# Altium PCB F4_SPI.PcbDoc
Units mil, origin at the board's own origin, x right, y up, seen from the top; angles counter-clockwise.
Board outline 1968.5 x 1259.84 mil, 2 copper layers (Top Layer, Bottom Layer); 99 components, 76 nets, 401 pads, 260 vias.
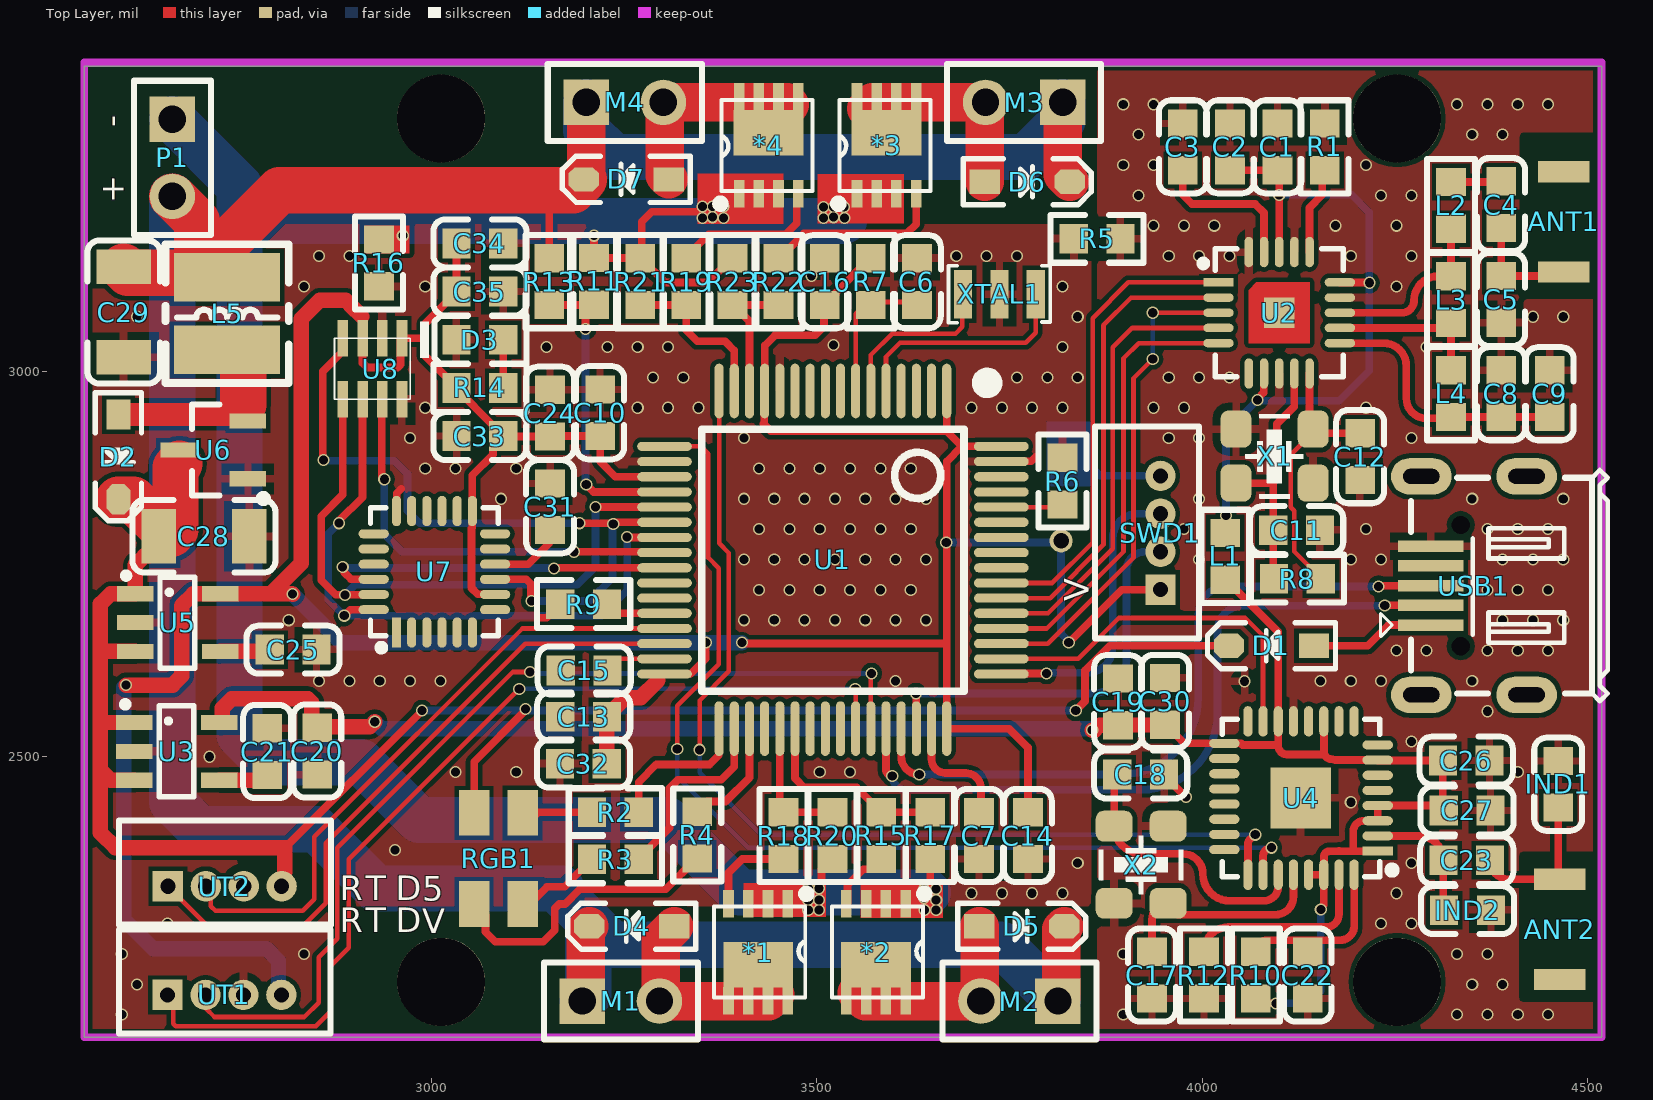
[diagram p0: Top Layer view]
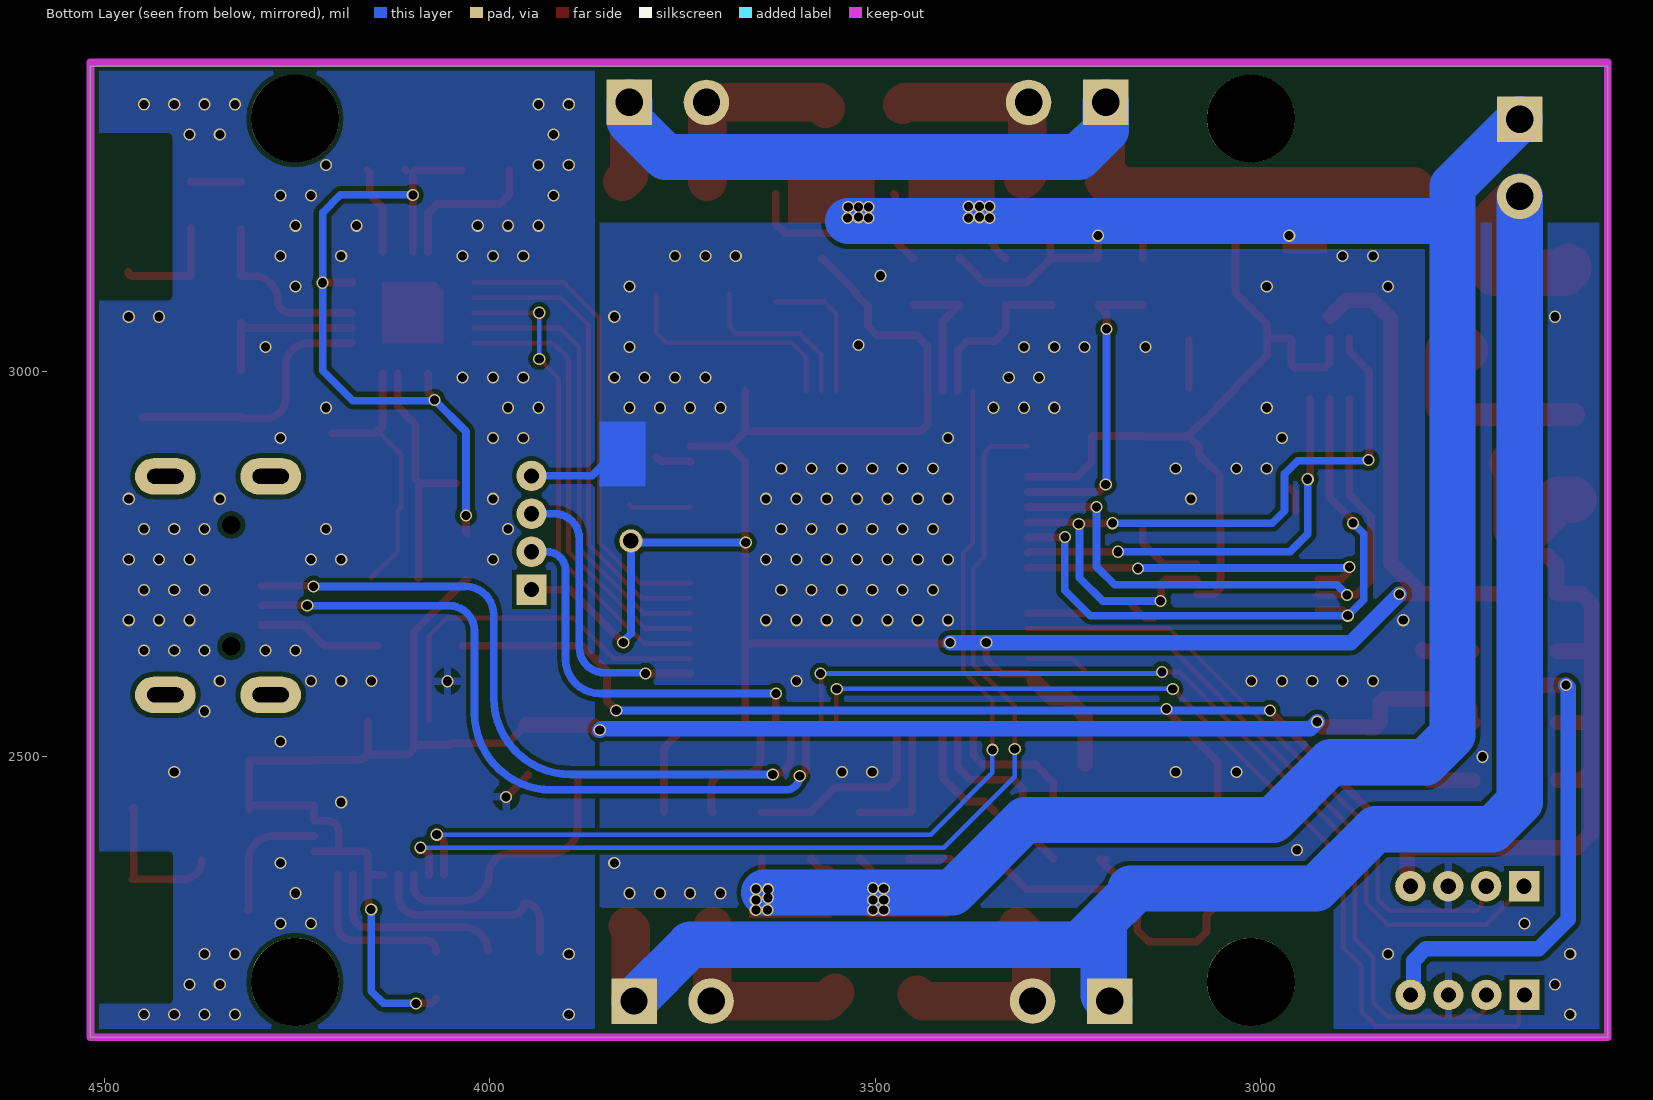
[diagram p1: Bottom Layer view, seen from below]
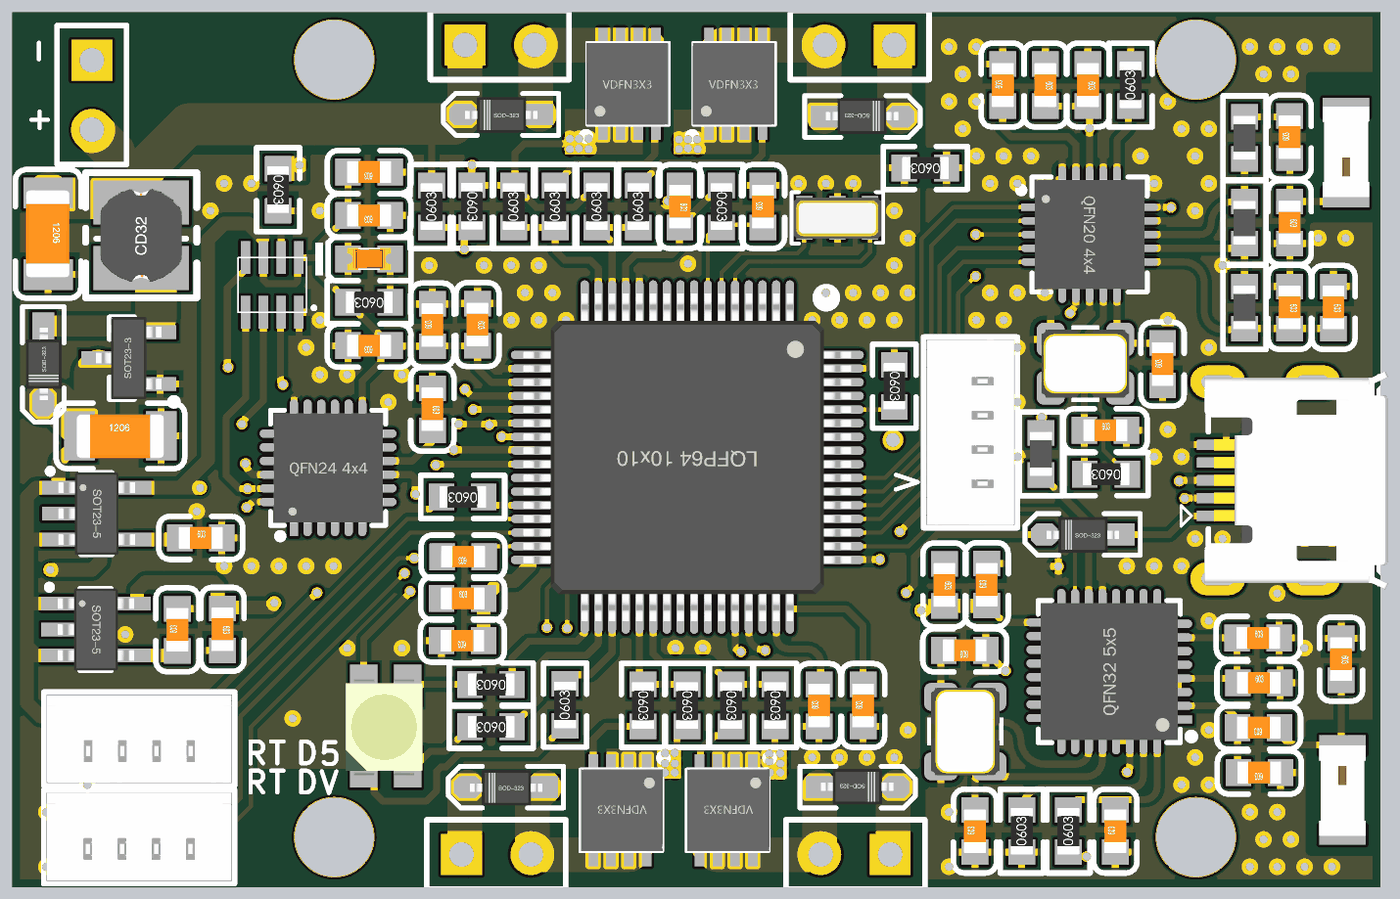
[diagram p2: 3D render of the assembled board from above, using the file's embedded part models]

## Layer stack, top to bottom
Top Solder: solder mask 0.4, Solder Resist, Dk 3.5
Top Layer: signal copper 1.4
Dielectric 1: dielectric 12.6, FR-4, Dk 4.8
Bottom Layer: signal copper 1.4
Bottom Solder: solder mask 0.4, Solder Resist, Dk 3.5

## Board outline
2549.72,2136.1 4518.23,2136.1 4518.23,3395.94 2549.72,3395.94

## Design rules (kind name [scope] priority, off if disabled: settings)
Clearance [All] p1: gap=6 ignorepadtopadclearanceinfootprint=FALSE
PolygonConnect [All] p1: connectstyle=Relief reliefconductorwidth=10 reliefentries=4 polygonreliefangle="90 Angle" airgapwidth=10
RoutingVias [All] p1: holewidth=11.81 width=15.75 viastyle="Through Hole" minholewidth=11.81 minwidth=15.75 maxholewidth=11.81 maxwidth=15.75
SolderMaskExpansion [All] p1: expansion=4 istentingtop=FALSE
Width [All] p1: maxlimit=60 minlimit=6 preferedwidth=10
30 further rules are at their usual default settings.

## Components (designator, comment, footprint, x,y, rotation, side; value= is the part's Value field where it differs from the comment)
*1 "AON7702" "DFN 3*3 2NMOS" 3427,2246.73 r270 top
*2 "AON7702" "DFN 3*3 2NMOS" 3579.95,2246.73 r270 top
*3 "AON7702" "DFN 3*3 2NMOS" 3587.57,3293 r90 top
*4 "AON7702" "DFN 3*3 2NMOS" 3434.62,3293 r90 top
ANT1 "2450AT18B100" 2450AT18B100 4469,3129 r90 top
ANT2 "2450AT18B100" 2450AT18B100 4464,2340.92 r270 top
C1 "2.2uF" 0603_C 4097.67,3291 r270 top
C2 "33nF" 0603_C 4036.33,3291 r270 top
C3 "33nF" 0603_C 3975,3291.63 r90 top
C4 "1.5pF" 0603_C 4388,3216.63 r90 top
C5 "1.5pF" 0603_C 4388,3093 r270 top
C6 "104" 0603_C 3630,3116.63 r90 top
C7 "2.2uF" 0603_C 3710.6,2398 r90 top
C8 "2.2nF" 0603_C 4388,2970.68 r270 top
C9 "4.7pF" 0603_C 4451,2970.68 r270 top
C10 "104" 0603_C 3219,2946 r270 top
C11 "10pF" 0603_C 4123,2794 r0 top value=10pf
C12 "10pF" 0603_C 4205,2889.63 r90 top
C13 "104" 0603_C 3198,2552 r0 top
C14 "104" 0603_C 3774,2398 r90 top
C15 "2.2uF" 0603_C 3198,2612 r180 top
C16 "104" 0603_C 3510.33,3116 r270 top
C17 "10pF" 0603_C 3935,2217 r90 top
C18 "10pF" 0603_C 3920,2477 r180 top
C19 "10uf" 0603_C 3891,2571 r270 top value=10uF
C20 "10uF" 0603_C 2852,2507 r270 top
C21 "10nF" 0603_C 2787,2507 r90 top
C22 "104" 0603_C 4137,2217 r90 top
C23 "5.6pF" 0603_C 4343,2365.67 r180 top
C24 "10uF" 0603_C 3154,2946 r90 top
C25 "10nF" 0603_C 2821,2639 r0 top
C26 "10uF" 0603_C 4343,2495 r0 top
C27 "104" 0603_C 4344,2430.33 r0 top
C28 "10uF" 1206_C 2705,2786 r0 top
C29 "10uF" 1206_C 2601,3077 r270 top
C30 "10uF" 0603_C 3952,2572 r90 top
C31 "0.47uf" 0603_C 3154,2824 r270 top value=0.47uF
C32 "10uF" 0603_C 3197,2491 r180 top value=2.2uF
C33 "104" 0603_C 3062.69,2916 r180 top value=0.1uF
C34 "10uf" 0603_C 3062.69,3166 r180 top value=2.2uF
C35 "104" 0603_C 3062.69,3103.5 r180 top value=0.1uF
D1 "1N5819" SOD-323 4090,2644 r180 top
D2 "1N5819" SOD-323 2594,2889 r270 top
D3 "白灯 0603" 0603_LED_S1 3063,3041 r0 top
D4 "1N5819" SOD-323 3260,2280 r180 top
D5 "1N5819" SOD-323 3766.12,2280 r0 top
D6 "1N5819" SOD-323 3773,3246 r0 top
D7 "1N5819" SOD-323 3253,3249 r180 top
IND1 "NC" 0603_C 4462,2464 r270 top value=10mH
IND2 "NC" 0603_C 4344,2301 r180 top value=10mH
L1 "3.3nH" 0603_L 4030,2760 r270 top
L2 "3.3nH" 0603_L 4323,3215.32 r270 top
L3 "6.8nH" 0603_L 4323,3093.16 r270 top
L4 "3.3nH" 0603_L 4323,2971 r270 top
L5 "33uH" CD32 2735,3075 r90 top
M1 "Motor" HDR1X2 3196,2183 r0 top
M2 "Motor" HDR1X2 3813,2183 r180 top
M3 "Motor" HDR1X2 3819,3349 r180 top
M4 "Motor" HDR1X2 3201,3349 r0 top
P1 "Header 2" HDR1X2 2664,3327 r270 top
R1 "22K" 0603_R 4160,3291 r90 top
R2 "1K" 0603_R 3239,2429 r180 top value=300R
R3 "1K" 0603_R 3239,2368 r180 top value=300R
R4 "1K" 0603_R 3346,2398 r90 top value=50R
R5 "0m" 0603_R 3864,3173 r180 top
R6 "10K" 0603_R 3818,2858 r270 top
R7 "10K" 0603_R 3569.17,3116.63 r270 top
R8 "1M" 0603_R 4124,2732 r180 top
R9 "10K" 0603_R 3198,2699 r180 top
R10 "12K" 0603_R 4070.67,2216.37 r90 top
R11 "10K" 0603_R 3210,3117 r270 top
R12 "12K" 0603_R 4003.33,2216.37 r90 top
R13 "10K" 0603_R 3154,3116 r90 top
R14 "1K" 0603_R 3063.32,2979.5 r180 top
R15 "300R" 0603_R 3582.8,2398 r270 top
R16 "0m" 0603_R 2931,3141 r270 top
R17 "10K" 0603_R 3646.2,2398 r270 top
R18 "300R" 0603_R 3456,2398 r270 top
R19 "300R" 0603_R 3331.83,3116 r90 top
R20 "10K" 0603_R 3519.4,2398 r270 top
R21 "10K" 0603_R 3272,3116 r90 top
R22 "300R" 0603_R 3451.5,3116 r90 top
R23 "10K" 0603_R 3391.67,3116 r90 top
RGB1 "RGB_LED" LED_3528_RGB 3087,2368 r90 top
SWD1 "Header 4" "SIP 1.25" 3945.02,2790.61 r90 top
U1 "STM32F405RGT6" "LQFP64 10x10_N" 3521,2755 r180 top
U2 "NRF2401+" "QFN20 4x4_N" 4100,3076 r270 top
U3 "SPX3819" SOT23-5N 2669.88,2507 r270 top
U4 "ESP8285" "QFN32 5x5_M" 4128.34,2446.46 r90 top
U5 "SPX3819" SOT23-5N 2671,2674 r270 top
U6 "ME2108A50M3G" SOT23-3N 2717,2898 r90 top
U7 "ICM-20689" "QFN24 4x4_M" 3004,2740 r0 top
U8 "SPL06" BMP280 2923,3003 r270 top
USB1 "USB" USB-MICRO_D 4421,2722 r90 top
UT1 "Header 4" "SIP 1.25" 2731.61,2191.98 r0 top
UT2 "Header 4" "SIP 1.25" 2732,2333 r0 top
X1 "16MHz" XT_3225_4 4094,2890 r0 top
X2 "26MHz" XT_3225_4 3921,2360 r270 top
XTAL1 "8M" XTAL-3215-3P 3737,3100 r180 top

## Footprints (in the part's own frame and the unit in brackets; to place one, negate y for a bottom-side part, rotate by r counter-clockwise, add the part's x,y. Pads: shape width x height; smd on the part's side, far side on the other; paste and mask are expansions set on the pad)
0603_C [mm]
  rect 0.93x0.98 smd: 1(-0.778,0) 2(0.762,0)
  silkscreen extent -1.54,-0.79 1.53,0.79, body extent -0.81,-0.4 0.79,0.4, height 0.3
0603_L [mm]
  rect 0.93x0.98 smd: 1(-0.77,0) 2(0.77,0)
  silkscreen extent -1.53,-0.79 1.54,0.79, body extent -0.82,-0.41 0.83,0.41, height 0.46
0603_LED_S1 [mm]
  rect 0.93x0.98 smd: A(0.77,0) K(-0.77,0)
  silkscreen extent -1.97,-0.79 1.54,0.79, body extent -0.8,-0.4 0.8,0.4, height 0.6
0603_R [mm]
  rect 0.93x0.98 smd: 1(-0.762,0.025) 2(0.778,0.025)
  silkscreen extent -1.53,-0.76 1.54,0.82, body extent -0.84,-0.37 0.86,0.43, height 0.56
1206_C [mm]
  rect 1.13x1.8 smd: 1(-1.49,0) 2(1.49,0)
  silkscreen extent -2.36,-1.2 2.35,1.2, body extent -1.6,-0.81 1.6,0.79, height 1
2450AT18B100 [mm]
  rect 0.7x1.7 smd: 1(0,0) 2(3.3,0)
  body extent 0.03,-0.85 3.33,0.85, height 1.35
BMP280 [mm] "气压传感器"
  round 0.25 on Top Overlay: 0(0.828,1.539)
  rect 1.2x0.35 smd: 1(0.99,0.99) 2(0.99,0.34) 3(0.99,-0.31) 4(0.99,-0.96) 5(-1.01,-0.96) 6(-1.01,-0.31) 7(-1.01,0.34) 8(-1.01,0.99)
  silkscreen extent -1.01,-1.24 0.99,1.26
CD32 [mm] "3.5*3*2mm（长宽高）"
  rect 1.6x3.5 smd: 1(-1.2,0) 2(1.2,0)
  silkscreen extent -2.29,-2.03 2.29,2.03, body extent -1.71,-1.5 1.71,1.5, height 2.15
"DFN 3*3 2NMOS" [mm]
  rect 1.5x2.3 smd: D(0.425,-0.075)
  rect 0.9x0.35 smd: D(1.607,0.898) D(1.607,-0.402) D(1.607,0.248) D(1.607,-1.052) G(-1.593,-1.052) S(-1.593,0.898) S(-1.593,-0.402) S(-1.593,0.248)
  silkscreen extent -2.04,-1.53 1.5,1.63, body extent -1.55,-1.5 1.55,1.5, height 1.06
HDR1X2 [mm] "Connector; Header; 2 Position"
  rect 1.5x1.5 hole 0.9: 1(0,0)
  round 1.5 hole 0.9: 2(2.54,0)
  silkscreen extent -1.27,-1.27 3.81,1.27
LED_3528_RGB [mm]
  rect 1.5x1 smd: 1(1.5,-0.8) 2(-1.5,-0.8) 3(-1.5,0.8) 4(1.5,0.8)
  body extent -1.79,-1.34 1.71,1.46, height 1.9
"LQFP64 10x10_N" [mm] "64脚，体宽10x10mm，脚距0.5mm"
  oval 0.3x1.8 smd: 1(-3.75,-5.575) 2(-3.25,-5.575) 3(-2.75,-5.575) 4(-2.25,-5.575) 5(-1.75,-5.575) 6(-1.25,-5.575) 7(-0.75,-5.575) 8(-0.25,-5.575) 9(0.25,-5.575) 10(0.75,-5.575) 11(1.25,-5.575) 12(1.75,-5.575) 13(2.25,-5.575) 14(2.75,-5.575) 15(3.25,-5.575) 16(3.75,-5.575) 33(3.75,5.55) 34(3.25,5.55) 35(2.75,5.55) 36(2.25,5.55) 37(1.75,5.55) 38(1.25,5.55) 39(0.75,5.55) 40(0.25,5.55) 41(-0.25,5.55) 42(-0.75,5.55) 43(-1.25,5.55) 44(-1.75,5.55) 45(-2.25,5.55) 46(-2.75,5.55) 47(-3.25,5.55) 48(-3.75,5.55)
  oval 1.8x0.3 smd: 17(5.55,-3.75) 18(5.55,-3.25) 19(5.55,-2.75) 20(5.55,-2.25) 21(5.55,-1.75) 22(5.55,-1.25) 23(5.55,-0.75) 24(5.55,-0.25) 25(5.55,0.25) 26(5.55,0.75) 27(5.55,1.25) 28(5.55,1.75) 29(5.55,2.25) 30(5.55,2.75) 31(5.55,3.25) 32(5.55,3.75) 49(-5.55,3.75) 50(-5.55,3.25) 51(-5.55,2.75) 52(-5.55,2.25) 53(-5.55,1.75) 54(-5.55,1.25) 55(-5.55,0.75) 56(-5.55,0.25) 57(-5.55,-0.25) 58(-5.55,-0.75) 59(-5.55,-1.25) 60(-5.55,-1.75) 61(-5.55,-2.25) 62(-5.55,-2.75) 63(-5.55,-3.25) 64(-5.55,-3.75)
  silkscreen extent -5.33,-6.09 4.32,4.32, body extent -6,-6 6,6, height 1.45
"QFN20 4x4_N" [mm] "20脚，长x宽x高：4x4x0.95mm，脚距：0.5mm"
  rect 0.28x1 smd: 1(-1,-2)
  oval 0.28x1 smd: 2(-0.5,-2) 3(0,-2) 4(0.5,-2) 5(1,-2) 11(1,2) 12(0.5,2) 13(0,2) 14(-0.5,2) 15(-1,2)
  oval 1x0.28 smd: 6(2,-1) 7(2,-0.5) 8(2,0) 9(2,0.5) 10(2,1) 16(-2,1) 17(-2,0.5) 18(-2,0) 19(-2,-0.5) 20(-2,-1)
  rect 1x1 smd: 21(0,0)
  Top Layer region: -1,1 1,1 1,-1 -0.75,-1 -1,-0.75
  silkscreen extent -2.11,-2.6 2.11,2.11, body extent -2.01,-2.01 2.01,2.01, height 0.95
"QFN24 4x4_M" [mm] "24脚，长x宽x高：4x4x1mm，脚距：0.5mm"
  rect 0.3x1 smd: 1(-1.25,-2)
  oval 0.3x1 smd: 2(-0.75,-2) 3(-0.25,-2) 4(0.25,-2) 5(0.75,-2) 6(1.25,-2) 13(1.25,2) 14(0.75,2) 15(0.25,2) 16(-0.25,2) 17(-0.75,2) 18(-1.25,2)
  oval 1x0.3 smd: 7(2,-1.25) 8(2,-0.75) 9(2,-0.25) 10(2,0.25) 11(2,0.75) 12(2,1.25) 19(-2,1.25) 20(-2,0.75) 21(-2,0.25) 22(-2,-0.25) 23(-2,-0.75) 24(-2,-1.25)
  silkscreen extent -2.11,-2.6 2.11,2.11, body extent -2.01,-2.01 2.01,2.01, height 0.95
"QFN32 5x5_M" [mm] "32脚，长x宽x高：5x5x0.95mm，脚距：0.5mm"
  rect 0.3x1 smd: 1(-1.751,-2.528)
  oval 0.3x1 smd: 2(-1.25,-2.528) 3(-0.75,-2.528) 4(-0.25,-2.528) 5(0.25,-2.528) 6(0.75,-2.528) 7(1.25,-2.528) 8(1.75,-2.528) 17(1.8,2.528) 18(1.3,2.528) 19(0.8,2.528) 20(0.3,2.528) 21(-0.2,2.528) 22(-0.7,2.528) 23(-1.2,2.528) 24(-1.7,2.528)
  oval 1x0.3 smd: 9(2.528,-1.75) 10(2.528,-1.25) 11(2.528,-0.75) 12(2.528,-0.25) 13(2.528,0.25) 14(2.528,0.75) 15(2.528,1.25) 16(2.528,1.75) 25(-2.528,1.75) 26(-2.528,1.25) 27(-2.528,0.75) 28(-2.528,0.25) 29(-2.528,-0.25) 30(-2.528,-0.75) 31(-2.528,-1.25) 32(-2.528,-1.75)
  rect 2x2 smd paste-2.54: 33(0.003,0.011)
  silkscreen extent -2.6,-3.13 2.6,2.6, body extent -2.5,-2.5 2.5,2.5, height 0.93
"SIP 1.25" [mm]
  rect 1x1 hole 0.5: 1(-1.875,-0.025)
  round 1 hole 0.5: 2(-0.625,-0.025) 3(0.625,-0.025) 4(1.875,-0.025)
  silkscreen extent -3.48,-1.3 3.5,2.13, body extent -3.36,-1.18 3.38,2.02, height 4.25
SOD-323 [mm] "1.8x1.3X0.9mm（长宽高，不包括引脚）"
  rect 1x0.8 smd: 1(-1.4,0)
  oct 1x0.8 smd: 2(1.4,0)
  silkscreen extent -2.11,-0.76 2.11,0.76, body extent -1.34,-0.63 1.31,0.67, height 1
SOT23-3N [mm] "3x1.3x1mm(长宽高)"
  rect 0.5x1.2 smd: 1(-0.95,-1.143) 2(0.95,-1.143) 3(0,1.143)
  silkscreen extent -1.72,-1.78 1.5,0.7, body extent -1.5,-1.2 1.5,1.2, height 1.05
SOT23-5N [mm] "3x1.6x1.1mm(长宽高)"
  rect 0.5x1.2 smd: 1(-0.95,-1.4) 2(0,-1.4) 3(0.95,-1.4) 4(0.95,1.4) 5(-0.95,1.4)
  silkscreen extent -1.63,-1.78 1.5,0.56, body extent -1.5,-1.4 1.5,1.4, height 1.15
USB-MICRO_D [mm] "micro型USB ，6.7*7.5*2.5mm"
  oval 1.2x2 hole 0.5 slot 1.2 at 90 deg: 0(-3.6,0) 0(-3.6,3.47) 0(3.6,0) 0(3.6,3.47)
  round 0 hole 0.6 unplated: 0(-2,2.17) 0(2,2.17)
  rect 0.381x2.15 smd: 1(-1.3,3.16) 2(-0.65,3.16) 3(0,3.16) 4(0.65,3.16) 5(1.3,3.16)
  silkscreen extent -3.81,-2.67 3.81,4.81, body extent -3.99,-2.75 3.99,3.95, height 2.79
XT_3225_4 [mil]
  rrect50% 40x48 smd: 1(-50,-35) 2(50,-35) 3(50,35) 4(-50,35)
  silkscreen extent -38,-54 38,54, body extent -63,-49 63,49, height 41
XTAL-3215-3P [mm]
  rect 0.6x1.6 smd: 1(-1.2,0) 2(0,0) 3(1.2,0)
  silkscreen extent -1.68,-0.94 1.68,0.94, body extent -1.6,-0.74 1.6,0.76, height 0.9

## Part data
ANT1 ANT2: library part Antenna, "Generic Antenna", LatestRevisionDate=17-Jul-2002, LatestRevisionNote="Re-released for DXP Platform.", PackageReference=PIN1, Published=24-Mar-1999, Publisher="Altium Limited"
C1 C2 C3 C4 C5 C6 C7 C8 C9 C10 C11 C12 C13 C14 C15 C16 C17 C18 C19 C20 C21 C22 C23 C24 C25 C26 C27 C28 C29 C30 C31 C32 C33 C34 C35: library part Cap, "Capacitor", LatestRevisionDate=17-Jul-2002, LatestRevisionNote="Re-released for DXP Platform.", PackageDescription="Radial Cap, Thru-Hole; 2 Leads; 0.3 in Pin Spacing", PackageReference=RAD-0.3, Published=8-Jun-2000, Publisher="Altium Limited"
D1 D2 D4 D5 D6 D7: library part 1N4007, "二极管"
D3: library part "0603 白灯", "发光二极管", Package=0603, SuppliersPartNumber=C2290, ComponentLink1Description=供应商链接, ComponentLink1URL=http://www.szlcsc.com/product/details_2663.html, Supplier=LC
IND1 IND2 L5: library part Inductor, "Inductor", Code_IEC=1005, Code_JEITA=0402, LatestRevisionDate=29-May-2009, LatestRevisionNote="IPC-7351 Footprint Added.", PackageDescription="Chip Inductor", PackageReference=0402-A, Published=8-Jun-2000, Publisher="Altium Limited"
L1 L2 L3 L4: library part L1, "电感"
M1 M2 M3 M4: "直流电机"
P1: "Header, 2-Pin", PackageReference=HDR1X2, Published=8-August-2017, Publisher=mazhongwei
R1 R5 R8 R16: library part RES
R2 R3 R4 R6 R7 R9 R10 R11 R12 R13 R14 R15 R17 R18 R19 R20 R21 R22 R23: library part Res2, "Resistor", LatestRevisionDate=17-Jul-2002, LatestRevisionNote="Re-released for DXP Platform.", PackageReference=AXIAL-0.4, Published=8-Jun-2000, Publisher="Altium Limited"
RGB1: "三色高亮LED"
SWD1 UT1 UT2: "Header, 4-Pin", LatestRevisionDate=17-Jul-2002, LatestRevisionNote="Re-released for DXP Platform.", Publisher="Altium Limited"
U1: "Flaah:256/RAM:48/IO:51"
U3 U5: library part MIC5219, "3.3V 降压芯片"
U4: library part ESP8266, "ESP8266"
U6: "5升压芯片"
U8: library part BMP280
X1 X2: library part XTAL_3225_4P, "Crystal Oscillator", Type=XTAL3225
XTAL1: library part XTAL1

## Free pads (board coordinates)
  round 114.17 hole 114.17: 0(3012.84,3328) 1(4253,3328) 2(4253,2207.95) 3(3012.84,2207.95)
  round 30 hole 20: 4(3817,2780)

## Via types
v1: diameter 15.75, hole 11.81, Top Layer to Bottom Layer, 260 vias

## Nets (pads, with @x,y where several pads share a name; then routed paths per layer and width w, separated by ;. In a path a pad name is that pad's centre, name@x,y a point inside that pad or via, vN(x,y) a via of type N, cw(c..) or ccw(c..) an arc to the next point about the centre after c; other vN are vias at no path point)
3V3: C10.2 C13.2 C14.2 C16.2 C24.1 C32.1 C33.1 C34.2 C35.2 pad.4 R7.1 R14.2 SWD1.1 U1.1 U1.13 U1.19 U1.32 U1.48 U1.64 U5.5 U7.8 U7.13 U8.6 U8.8 UT1.4 | length 5109.7
  Top Layer w10: U8.6 2910.8,3010.86 2916.65,3005 2956.14,3005 2960.09,3008.94 2960.09,3040.87 U8.8 2991.56,3042.76 ; C34.2 C35.2 3032.69,3102.52 2991.56,3061.39 2991.56,3042.76 ; U7.8 3082.39,2710.82 3060.18,2710.82 3052.06,2718.94 3052.06,2796.22 3053.21,2797.37 U7.13 3053.21,2865.21 3080.01,2892.01 3080.01,2902.69 C33.1 ; U1.32 3302.84,2607.71 3336.59,2607.71 3356,2627.12 v1(3356,2648) ; U1.19 3238.73,2863.27 3219,2883 C10.2 3154.63,2916 C24.1 3093.95,2915.37 C33.1 ; v1(3402.87,2648) 3403.87,2647 3668.64,2647 ; C16.2 3509.55,3085.22 3509.55,3058.55 3498,3047 3446,3047 3432.42,3033.42 U1.13 3432.07,2974.16 3432.07,2933.07 3431,2932 3440.64,2922.36 3668.64,2922.36 ; C16.2@3510.83,3085.51 3524.62,3099.31 3524.62,3102.07 3569.18,3146.63 R7.1 ; U1.1 3668.64,2922.36 ; U1.64 3688.36,2902.64 ; C14.2 3774,2512 3749.5,2536.5 U1.48 3668.64,2647 ; v1(3827,2648) 3895.79,2716.79 SWD1.1 ; 2991.56,3042.76 2991.56,3020.61 3032.68,2979.48 R14.2 3032.68,2977.52 3079.91,2930.29 3080.01,2930.29 3093.32,2916.98 C33.1 ; 3668.64,2647 3668.64,2882.91 3688.36,2902.64 ; 3668.64,2922.36 3688.36,2902.64
  Top Layer w20: v1(2604,2593) 2664.28,2593 2676,2604.72 2676,2696 2691.24,2711.24 2725.96,2711.24 U5.5 2791.4,2711.4 ; v1(2820,2711) 2819.6,2711.4 2791.4,2711.4 ; 2909.84,3071.16 2908.09,3072.91 2908.09,3073.01 2898.72,3082.39 2898.61,3082.39 2889,3092 2855,3092 2831,3068 2831,2751 2791.4,2711.4 ; C32.1 3227.82,2491.18 3227.82,2551.82 C13.2 3228,2552.98 3251.72,2576.71 3271.71,2576.71 3294,2599
  Bottom Layer w10: v1(3668,2778) 3815,2778 pad.4 3817,2659.56 3827,2649.56 v1(3827,2648)
  Bottom Layer w20: v1(2604,2593) 2601,2590 2601,2289 2639,2251 2786,2251 2801.72,2235.28 2801.72,2194.71 UT1.4 ; v1(2820,2711) 2883,2648 v1(3402.87,2648)
3V3_RF: C19.2 C20.1 C26.1 C27.1 C30.1 L1.2 R10.1 U3.5 U4.1 U4.3 U4.4 U4.7 U4.11 U4.14 U4.17 U4.29 U4.30 | length 2561.4
  Top Layer w10: C30.1@3952.98,2541.37 3977.01,2517.34 U4.17 4050.39,2517.34 4052.42,2515.3 4097.7,2515.3 4098.8,2514.2 ; L1.2 4030.98,2729.68 4098.8,2661.86 U4.14 4098.8,2514.2 ; R10.1 4076.04,2180 v1(4096,2180) ; U4.29 U4.30 ; v1(4154,2302) 4154,2303.56 4157.87,2307.43 U4.30 ; U4.11 4158,2545.99 4158,2506 ; U4.1 4199.24,2377.54 cw(c4199.24,2387.54) 4198.5,2377.57 ccw(c4197.25,2360.71) 4196.01,2377.57 cw(c4195.27,2387.54) 4195.27,2377.54 ; 4098.8,2514.2 ccw(c4110,2514.2) 4110,2503 4155,2503 ccw(c4155,2506) 4158,2506 ; U4.30 4158,2346.93 4158,2370 cw(c4165.54,2370) 4165.54,2377.54 4175.58,2377.54 ccw(c4175.58,2387.54) 4176.32,2377.57 cw(c4177.56,2360.71) 4178.81,2377.57 ccw(c4179.55,2387.54) 4179.55,2377.54 4195.27,2377.54 ; 4158,2506 ccw(c4167.96,2506.92) 4167.63,2496.92 cw(c4167.27,2485.93) 4171,2496.28 ccw(c4174.4,2505.68) 4174.4,2495.68 U4.7 4227.87,2495 C26.1 4312.37,2431.33 ccw(c4307.09,2431.33) 4307.09,2436.61 U4.4 U4.3 4209.92,2416.92 ccw(c4209.92,2403) 4196,2403 4196,2378.27 cw(c4195.27,2378.27) 4195.27,2377.54
  Top Layer w20: U3.5 2728.84,2544.4 2729,2544.56 2729,2563.28 2740.72,2575 2840,2575 2845,2570 2845,2544.63 C20.1 2859.92,2537.63 2861.29,2539 2920.31,2539 v1(2926.65,2545.35) ; v1(3857.5,2534.5) 3860.52,2534.5 3867.02,2541 C19.2 3891.18,2541.18 3952.8,2541.18 C30.1@3952.98,2541.37
  Bottom Layer w10: v1(4096,2180) 4138,2180 4154,2196 v1(4154,2302)
  Bottom Layer w20: v1(2926.65,2545.35) 2935.87,2536.13 3855.87,2536.13 v1(3857.5,2534.5)
5V: C28.1 D1.2 D2.2 RGB1.4 U3.1 U3.3 U5.1 U5.3 U6.3 UT2.4 | length 2578.5
  Top Layer w10: 2810.15,2382 2988,2559.85 v1(2988,2560) ; RGB1.4 3055.5,2493.5 3122,2560 v1(3122,2562) ; v1(3836,2560) 3848,2572 3848,2611.78 3880.22,2644 D1.2
  Top Layer w20: U3.3 2614.61,2469.76 2583.68,2469.76 2570.72,2482.72 ; U3.1 2571.13,2544.4 2570.72,2544 ; U5.3 2571.32,2636.6 2570.72,2636 ; C28.1 2646.34,2772.81 2634.09,2760.57 2627.6,2760.57 2615.88,2748.85 U5.1 2615.72,2711.24 2583.72,2711.24 2570.72,2698.25 2570.72,2636 ; UT2.4 2809.53,2335.72 2809.53,2349.42 2810,2349.89 2810,2382 ; 2810.15,2382 2590,2382 2570.72,2401.28 2570.72,2482.72 ; 2570.72,2482.72 2570.72,2544 ; 2570.72,2544 2570.72,2636
  Top Layer w60: D2.2 2613.13,2833.88 2647.08,2799.93 2658.02,2789 2662.66,2789 2668.09,2794.43 2668.09,2875.09 2673,2880
  Bottom Layer w10: v1(2988,2560) v1(3836,2560)
AGND: *1.S *2.S *3.S *4.S P1.1 R11.1 R16.1 R17.2 R20.2 R21.2 R23.2 | length 3055.1
  Top Layer w10: v1(3211,3176) R11.1 3270.63,3147 R21.2 3271.98,3146.63 R21.2@3273,3145.61 ; v1(3352,3214) 3352,3212 3350,3210 3348,3210 3345,3207 3286,3207 3273,3194 R21.2@3273,3145.61 ; R23.2 3389.68,3146.63 3358.36,3115.31 3303.31,3115.31 R21.2@3273,3145.61 ; v1@3500,2326 3506.11,2332.11 3506.11,2354.06 3519.42,2367.37 R20.2 ; 3647.2,2330.73 R17.2
  Bottom Layer w60: P1.1 2751,3240 2751,3195 ; v1@3535,3195 3509,3195 3365,3195 3211,3195 2963,3195 2751,3195 ; v1@3644,2324 3503,2324 3400,2324 3306,2418 2984,2418 2909,2493 2786.15,2493 2751,2528.15 2751,3195
  other v1: 3489,2301 3503,2301 3640,2301 3655,2301 3489,2314 3503,2314 3655,2314 3639,2317 3639,2328 3654.73,2328.27 3489,2329 3502.79,2329.32 2963,3176 3352,3199 3379,3199 3509,3199 3536,3199 3365,3200 3522,3200 3509,3213 3522,3213 3535,3213 3365,3214 3379,3214
BAT: C29.1 D4.2 D5.2 D6.2 D7.2 L5.2 M1.1 M2.1 M3.1 M4.1 P1.2 R13.2 | length 4126.9
  Top Layer w10: R13.2 3153,3235
  Top Layer w50: M1.1 3200.53,2187.53 3200.53,2275.65 D4.2 ; D7.2 3201,3252.12 M4.1 ; M2.1 3817.53,2187.53 3817.53,2276.29 D5.2 ; M3.1 3819,3255.12 D6.2
  Top Layer w60: C29.1 2601,3133.34 2606.43,3127.91 L5.2@2696.1,3127.91 ; P1.2 2696.1,3194.9 L5.2@2696.1,3127.91 ; D7.2 3183.88,3235 3153,3235 3051.49,3235 3051.4,3234.91 2803.11,3234.91 L5.2@2696.1,3127.91
  Bottom Layer w60: P1.2 2664,2441.15 2699.15,2406 2851,2406 2928,2329 3169,2329 3169,2322 3203.5,2287.5 ; M1.1 3203.5,2190.5 3203.5,2287.5 ; M4.1 3201,3313.15 3236.15,3278 3772,3278 3819,3325 M3.1 ; M2.1 3740,2256 3235,2256 3203.5,2287.5
BOOT0: R6.2 U1.60 | length 80.9
  Top Layer w6: U1.60 3815.53,2823.9 R6.2
G1: *1.G R18.2 | length 115.6
  Top Layer w10: *1.G@3385.59,2312.72 3385.59,2349.59 3403.37,2367.37 R18.2
G2: *2.G R15.2 | length 82.7
  Top Layer w10: *2.G 3540,2310.91 3540,2333.81 3560.25,2354.06 3570.49,2354.06 R15.2
G3: *3.G R22.2 | length 236.3
  Top Layer w10: R22.2 3451.48,3146.63 3476.56,3171.7 3476.56,3171.93 3483.63,3179 3617,3179 3628.99,3190.99 *3.G
G4: *4.G R19.2 | length 202.9
  Top Layer w10: R19.2 3331.82,3146.63 3345.12,3159.94 3345.12,3163.12 3360,3178 3460,3178 3474.15,3192.15 3474.15,3228.39 *4.G
GND: C6.2 C7.1 C10.1 C13.1 C14.1 C15.2 C16.1 C20.2 C21.2 C24.2 C25.2 C28.2 C29.2 C31.1 C32.2 C33.2 C34.1 C35.1 D3.K R5.2 R6.1 R9.2 R16.2 SWD1.4 U1.12 U1.18 U1.63 U3.2 U5.2 U6.1 U7.18 U8.1 U8.7 UT1.3 UT2.3 XTAL1.2 | length 265.5
  Top Layer w10: U7.18 2955.13,2819.09 2955.13,2841.64 2960.99,2847.5 ; 3139.06,2680.42 3149.79,2680.42 3153.08,2683.71 3154.06,2683.71 3167.37,2697.02 R9.2 ; U1.63 3739.85,2883.3 3778.15,2883.3 3784.01,2889.16
  Bottom Layer w10: 3817,2916 3817,2915 3867.57,2864.43 SWD1.4
  other v1: 2598.43,2165.36 2618.11,2204.73 2598.43,2244.1 2834.65,2244.1 2657.48,2283.47 3700.79,2322.84 3740.16,2322.84 3779.53,2322.84 3818.9,2322.84 3838.58,2362.21 2953,2379 3031.5,2480.32 3110.24,2480.32 3503.94,2480.32 3543.31,2480.32 2712,2500 2854.33,2598.43 2893.7,2598.43 2933.07,2598.43 2972.44,2598.43 3011.81,2598.43 3602.36,2598.43 2814.96,2677.17 3405.51,2677.17 3444.88,2677.17 3484.25,2677.17 3523.62,2677.17 3562.99,2677.17 3602.36,2677.17 3641.73,2677.17 3425.2,2716.54 3464.57,2716.54 3503.94,2716.54 3543.31,2716.54 3582.68,2716.54 3622.05,2716.54 3405.51,2755.91 3444.88,2755.91 3484.25,2755.91 3523.62,2755.91 3562.99,2755.91 3602.36,2755.91 3641.73,2755.91 3425.2,2795.28 3464.57,2795.28 3503.94,2795.28 3543.31,2795.28 3582.68,2795.28 3622.05,2795.28 3090.55,2834.65 3405.51,2834.65 3444.88,2834.65 3484.25,2834.65 3523.62,2834.65 3562.99,2834.65 3602.36,2834.65 3641.73,2834.65 2992.13,2874.02 3031.5,2874.02 3110.24,2874.02 3425.2,2874.02 3464.57,2874.02 3503.94,2874.02 3543.31,2874.02 3582.68,2874.02 3622.05,2874.02 2972.44,2913.39 3405.51,2913.39 2992.13,2952.76 3267.72,2952.76 3307.09,2952.76 3346.46,2952.76 3700.79,2952.76 3740.16,2952.76 3779.53,2952.76 3818.9,2952.76 3287.4,2992.13 3326.77,2992.13 3720.47,2992.13 3759.84,2992.13 3799.21,2992.13 3838.58,2992.13 3149.61,3031.5 3228.35,3031.5 3267.72,3031.5 3307.09,3031.5 3818.9,3031.5 3522,3034 2618.11,3070.87 3838.58,3070.87 2834.65,3110.24 2992.13,3110.24 3818.9,3110.24 3493,3124 2854.33,3149.61 2893.7,3149.61 3681.1,3149.61 3720.47,3149.61 3759.84,3149.61
IMU_CS: U1.25 U7.22 | length 468.6
  Top Layer w10: v1(2885,2746) 2887,2744 2887,2739 2895.84,2730.16 U7.22 ; v1(3159,2744) 3160.16,2745.16 U1.25
  Bottom Layer w10: v1(2885,2746) 2886,2745 3158,2745 v1(3159,2744)
LED0: R4.2 U1.35 | length 149.6
  Top Layer w10: R4.2 3358.31,2441.94 3381.67,2441.94 3412.73,2473 U1.35
LED1: R3.1 U1.34 | length 253.7
  Top Layer w10: R3.1 3269,2367.98 3309,2407.98 3309,2459 3320,2470 3376.05,2470 3393.05,2487 U1.34
LED2: R2.1 U1.33 | length 192.1
  Top Layer w10: R2.1 3269,2467 3292,2490 3361,2490 3373.02,2502.02 3373.02,2536.15 U1.33
Net*1_D: *1.D D4.1 M1.2 | length 258.2
  Top Layer w50: D4.1 3297.73,2262.61 3297.73,2184.73 M1.2 3438,2183 3446,2191
Net*2_D: *2.D D5.1 M2.2 | length 263.4
  Top Layer w50: 3552,2194 3563,2183 M2.2 3711.27,2184.73 3711.27,2279.73 D5.1
Net*3_D: *3.D D6.1 M3.2 | length 261.8
  Top Layer w50: 3564,3341 3572,3349 M3.2 3717.88,3347.88 D6.1
Net*4_D: *4.D D7.1 M4.2 | length 268.2
  Top Layer w50: D7.1 3302.73,3254.39 3302.73,3347.27 M4.2 3462,3349 3465,3346
NetANT1_1: ANT1.1 C4.1 C5.1 | length 146.4
  Top Layer w10: C4.1 C5.1 4463.63,3123.63 ccw(c4463.63,3129) ANT1.1
NetANT2_1: ANT2.1 C23.1 IND1.2 | length 201.9
  Top Layer w10: C23.1 ccw(c4398.38,2365.67) 4398.38,2340.92 ANT2.1 cw(c4464,2342.92) 4462,2342.92 IND1.2 cw(c4462,2432) IND1.2@4464,2432
NetC1_2: C1.2 C2.2 L1.1 U2.7 U2.15 U2.18 | length 929.4
  Top Layer w10: L1.1 4031,2791.31 v1(4031,2813) ; C2.2 C1.2 4100,3258.67 v1(4100,3229) U2.18 ; v1(4072,2963) 4072,2964.56 4080.12,2972.67 4080.12,2997.06 U2.7 ; C1.2@4109.21,3261 cw(c4110.21,3261) C1.2@4110.21,3262 ; U2.15 4216.63,3115.37 v1(4217,3115)
  Bottom Layer w10: v1(4031,2813) 4031,2922 v1(4072,2963) 4073,2962 4178,2962 4217,3001 v1(4217,3115) 4217,3206 4194,3229 v1(4100,3229)
NetC3_1: C3.1 U2.19 | length 197.9
  Top Layer w10: C3.1 3975,3229 3987,3217 4069,3217 4080.32,3205.68 U2.19
NetC4_2: C4.2 L2.1 | length 65.6
  Top Layer w10: L2.1 4387,3245.63 ccw(c4387,3246.63) C4.2
NetC7_2: C7.2 U1.47 | length 159.6
  Top Layer w6: C7.2 C7.2@3712,2429.4
  Top Layer w10: U1.47 3648.95,2497.05 ccw(c3667,2497.05) 3667,2479 3693,2479 cw(c3693,2459) 3713,2459 3713,2430.4 cw(c3710.6,2430.4) C7.2
NetC8_2: C8.2 C9.2 L4.2 U2.11 | length 347
  Top Layer w10: U2.11 4235.37,3036.63 cw(c4235.37,3007) 4265,3007 4265,2965 ccw(c4291,2965) 4291,2939 4321.32,2939 ccw(c4321.32,2940.68) L4.2 C8.2 C9.2
NetC11_1: C11.1 R8.2 U2.9 X1.1 | length 325.3
  Top Layer w10: X1.1 4091.14,2855 ; R8.2@4093.37,2732 cw(c4093.37,2733) 4092.37,2733 C11.1 4092.37,2853.77 4091.14,2855 ; U2.9 4119.69,2954.38 4097,2931.7 4097,2860.86 4091.14,2855
NetC12_2: C12.2 R8.1 U2.10 X1.3 | length 360.1
  Top Layer w6: X1.3 4144,2921 4115,2892 4115,2823.93 4119.68,2819.25 4119.68,2766.31 R8.1@4153.98,2732
  Top Layer w10: U2.10 4139.37,2929.63 ccw(c4144,2929.63) X1.3 ccw(c4149.37,2925) 4149.37,2919.63 C12.2
NetC15_1: C15.1 U1.31 | length 80.1
  Top Layer w6: C15.1 3243.68,2627.05 U1.31
NetC17_2: C17.2 U4.28 X2.3 | length 287.9
  Top Layer w10: C17.2 3935,2289 cw(c3956,2289) X2.3 ccw(c3971,2310) 3971,2295 4095,2295 ccw(c4095,2318.49) 4118.49,2318.49 U4.28
NetC18_2: C18.2 U4.27 X2.1 | length 363.3
  Top Layer w10: C18.2 ccw(c3890,2473) 3886,2473 X2.1 ccw(c3922,2410) 3922,2374 3975,2374 cw(c3975,2348) 4001,2348 ccw(c4036,2348) 4036,2313 4080,2313 ccw(c4080,2331.8) 4098.8,2331.8 U4.27
NetC21_1: C21.1 U3.4 | length 64.8
  Top Layer w20: U3.4 2725.16,2469.76 2780.39,2469.76 C21.1
NetC22_2: C22.2 R10.2 U4.32 | length 213.2
  Top Layer w10: R10.2 cw(c4084.67,2247) 4084.67,2262 4179,2262 ccw(c4179,2280.25) 4197.25,2280.25 U4.32
NetC23_2: C23.2 IND2.2 U4.2 | length 168.4
  Top Layer w10: U4.2 4281.43,2397.23 cw(c4281.43,2365.67) C23.2 4313,2302 ccw(c4314,2302) IND2.2
NetC25_1: C25.1 U5.4 | length 65.2
  Top Layer w20: U5.4 2726.28,2636.76 2788.13,2636.76 C25.1
NetC31_2: C31.2 U7.10 | length 98.5
  Top Layer w10: U7.10 3125.84,2749.84 3153.02,2777.02 C31.2@3153.02,2794
NetD1_1: D1.1 USB1.1 | length 162.6
  Top Layer w10: D1.1 4215,2644 4241.82,2670.82 USB1.1
NetD2_1: D2.1 L5.1 U6.2 | length 258.2
  Top Layer w30: D2.1 2743.12,2944.12 2756,2957
  Top Layer w60: L5.1 2754.5,3027.76 2756,3026.26 2756,2957
NetD3_A: D3.A R14.1 | length 62.5
  Top Layer w10: R14.1 D3.A
NetL2_2: L2.2 L3.1 U2.13 | length 232.9
  Top Layer w10: U2.13 4259,3076 ccw(c4259,3092) 4275,3092 cw(c4306.47,3092) 4306.47,3123.47 L3.1 L2.2
NetL3_2: L3.2 L4.1 U2.12 | length 208.5
  Top Layer w10: U2.12 4316.47,3056.32 L3.2 L4.1
NetR1_1: R1.1 U2.16 | length 114.4
  Top Layer w10: U2.16 4139.37,3212.37 4156,3229 4156,3258 R1.1
NetR2_2: R2.2 RGB1.1 | length 74.1
  Top Layer w10: RGB1.1@3135.5,2425.06 3138.44,2428 R2.2
NetR3_2: R3.2 RGB1.2 | length 102.1
  Top Layer w10: RGB1.2@3135.5,2316.79 3150.18,2331.47 3172.84,2331.47 3194.08,2352.71 3195.06,2352.71 3208.37,2366.02 R3.2 R3.2@3200.55,2367
NetR4_1: R4.1 RGB1.3 | length 383.6
  Top Layer w10: RGB1.3 3070.19,2294.26 3070.19,2272.81 3083,2260 3145,2260 3160,2275 3160,2303.14 3165.86,2309 3173.5,2309 3192.5,2328 3304.02,2328 3344.02,2368 R4.1
NetR9_1: R9.1 U1.28 | length 75.3
  Top Layer w6: R9.1@3229,2686.02 R9.1@3229,2687
  Top Layer w10: R9.1@3228.63,2687 R9.1@3229.73,2688.1 ; R9.1@3229.73,2686.1 U1.28
NetR12_2: R12.2 U4.31 | length 254.3
  Top Layer w10: R12.2 cw(c4034.33,2247) 4034.33,2279 4161,2279 ccw(c4161,2295.56) 4177.56,2295.56 U4.31
NetU1_5: U1.5 XTAL1.1 | length 301.5
  Top Layer w6: U1.5 3589.9,3018.9 3608,3037 3771,3037 3784.24,3050.24 XTAL1.1
NetU1_6: U1.6 XTAL1.3 | length 223
  Top Layer w6: U1.6 3570.21,3021.21 3598,3049 3680,3049 3689,3058 3689,3099.24 XTAL1.3
NRF_CE: U1.55 U2.1 | length 613.7
  Top Layer w6: U1.55 3805.5,2725.47 3858,2777.97 3858,3069 3904.37,3115.37 U2.1
NRF_CSN: U1.54 U2.2 | length 610.2
  Top Layer w6: U1.54 3802.79,2705.79 3872,2775 3872,3060 3907.68,3095.68 U2.2
POWER: R11.2 R13.1 U1.20 | length 400.8
  Top Layer w10: R13.1 3210.63,3086 3200,3075.37 v1(3200,3055) ; v1(3201,2853) 3210.42,2843.58 U1.20
  Bottom Layer w10: v1(3200,3055) 3200,2854 v1(3201,2853)
RF_GND: C1.1 C2.1 C3.2 C5.2 C8.1 C9.1 C11.2 C12.1 C17.1 C18.1 C19.1 C22.1 C26.2 C27.2 C30.2 IND1.1 IND2.1 R1.2 R5.1 R12.1 U2.8 U2.14 U2.17 U2.20 U4.13 U4.33 USB1.5 X1.2 X1.4 X2.2 X2.4 | length 41
  Top Layer w10: C18.1 3950.63,2476.02 v1(3978.94,2447.71)
  other v1: 3897.64,2165.36 4330.71,2165.36 4370.08,2165.36 4409.45,2165.36 4448.82,2165.36 4350.4,2204.73 4389.77,2204.73 3897.64,2244.1 4330.71,2244.1 4370.08,2244.1 4232.29,2283.47 4271.66,2283.47 4251.97,2322.84 4271.66,2362.21 4192.92,2440.95 4409.45,2480.32 4271.66,2519.69 4370.08,2559.06 4055,2598 4153.55,2598.43 4192.92,2598.43 4232.29,2598.43 4350.4,2598.43 4251.97,2637.8 4291.34,2637.8 4370.08,2637.8 4409.45,2637.8 4448.82,2637.8 4389.77,2677.17 4429.14,2677.17 4468.51,2677.17 4370.08,2716.54 4409.45,2716.54 4448.82,2716.54 3996.07,2755.91 4192.92,2755.91 4232.29,2755.91 4389.77,2755.91 4429.14,2755.91 4468.51,2755.91 3976.38,2795.28 4212.6,2795.28 4370.08,2795.28 4409.45,2795.28 4448.82,2795.28 3996.07,2834.65 4350.4,2834.65 4468.51,2834.65 3956.7,2913.39 3996.07,2913.39 4271.66,2913.39 3937.01,2952.76 3976.38,2952.76 4212.6,2952.76 3956.7,2992.13 3996.07,2992.13 4035.44,2992.13 4291.34,3031.5 4429.14,3070.87 4468.51,3070.87 4251.97,3110.24 3956.7,3149.61 3996.07,3149.61 4035.44,3149.61 4192.92,3149.61 4271.66,3149.61 3937.01,3188.98 3976.38,3188.98 4015.75,3188.98 4173.23,3188.98 4251.97,3188.98 3917.32,3228.35 4232.29,3228.35 4271.66,3228.35 3897.64,3267.72 3937.01,3267.72 4212.6,3267.72 3917.32,3307.09 4350.4,3307.09 4389.77,3307.09 3897.64,3346.46 3937.01,3346.46 4330.71,3346.46 4370.08,3346.46 4409.45,3346.46 4448.82,3346.46
RST: C6.1 R7.2 U1.7 | length 186
  Top Layer w6: U1.7 3550.53,3074.69 3565.83,3090 3566,3090 C6.1@3630,3090
SPI1_MISO: U1.22 U7.9 U8.5 | length 934.3
  Top Layer w10: v1@2859,2885 2859,2999.83 2885.2,3026.03 U8.5 ; U7.9@3083.09,2729.81 U7.9 3123.27,2730.16 3129.13,2724.3 3129.13,2702.87 v1(3130,2702) ; v1(3192,2803) 3235,2803 v1(3236,2802) 3238.21,2804.21 U1.22
  Bottom Layer w10: v1(2860,2885) 2861,2884 2952,2884 2969,2867 2969,2819 2985,2803 v1(3192,2803) ; v1(3130,2702) 3205,2702 3235.13,2732.13 3235.13,2801.13 v1(3236,2802)
SPI1_MOSI: U1.23 U7.24 U8.3 | length 848
  Top Layer w10: v1(2880,2803) 2880,2806 2910.8,2836.8 U8.3 ; v1(2887,2683) 2894.79,2690.79 U7.24 ; v1(3254,2785) 3254.47,2784.53 U1.23
  Bottom Layer w10: v1(2880,2803) 2866.13,2789.13 2866.13,2703.87 v1(2887,2683) 3221,2683 3254,2716 v1(3254,2785)
SPI1_SCK: U1.21 U7.23 U8.4 | length 830.1
  Top Layer w10: U8.4 2885.2,2840.2 2857,2812 2857,2729 2875.83,2710.17 2887.83,2710.17 v1(2888,2710) 2888.24,2710.24 2925.02,2710.24 U7.23 ; v1(3213,2824) 3213.1,2823.9 U1.21
  Bottom Layer w10: v1(2888,2710) 2901,2723 3189.37,2723 3213,2746.63 v1(3213,2824)
SPI3_MISO: U1.52 U2.5 | length 582.1
  Top Layer w6: U1.52 3798.42,2666.42 3898,2766 3898,3017 3917.63,3036.63 U2.5
SPI3_MOSI: U1.53 U2.4 | length 588
  Top Layer w6: U1.53 3800.1,2686.1 3884,2770 3884,3031 3909.32,3056.32 U2.4
SPI3_SCK: U1.51 U2.3 | length 631.2
  Top Layer w6: U1.51 3799.73,2646.73 3911,2758 3911,2991 v1(3936,3016) ; v1(3936,3076) U2.3
  Bottom Layer w6: v1(3936,3016) v1(3936,3076)
SPL_CS: U1.24 U8.2 | length 550.2
  Top Layer w10: U8.2 2935.69,2963.33 2935.69,2863.31 v1(2939,2860) ; v1(3185,2766) 3301.34,2766 U1.24
  Bottom Layer w10: v1(2939,2860) 2939,2789 2962,2766 v1(3185,2766)
SWCLK: SWD1.3 U1.49 | length 385.9
  Top Layer w10: U1.49 3739.5,2608 v1(3798,2608)
  Bottom Layer w10: v1(3798,2608) cw(c3799,2608) 3799,2609 3851,2609 ccw(c3851,2642) 3884,2642 3884,2783 cw(c3916.21,2783) 3916.21,2815.21 SWD1.3
SWDIO: SWD1.2 U1.46 | length 517
  Top Layer w10: v1(3629,2582) 3629.27,2581.73 U1.46
  Bottom Layer w10: v1(3629,2582) 3857,2582 ccw(c3857,2627) 3902,2627 3902,2742 cw(c3926,2742) 3926,2766 SWD1.2
TIM3_CH1: R18.1 R20.1 U1.37 | length 174.7
  Top Layer w10: U1.37 3452.1,2432.9 ccw(c3457,2432.9) R18.1 R20.1
TIM3_CH2: R15.1 R17.1 U1.38 | length 258
  Top Layer w10: U1.38 3471.79,2472.21 3484,2460 3551.8,2460 R15.1 R17.1
TIM5_CH1: R22.1 R23.1 U1.14 | length 180.1
  Top Layer w10: R23.1 R23.1@3391.65,3086 ; U1.14 3412.73,3064.92 R23.1@3391.65,3086 ; R22.1 R23.1@3391.65,3086
TIM5_CH2: R19.1 R21.1 U1.15 | length 218.2
  Top Layer w10: R21.1 R19.1 3330.83,3053.17 3345,3039 3381,3039 3393.05,3026.95 U1.15
USART1_RX: U1.43 UT1.2 | length 1247.6
  Top Layer w6: UT1.2 2707.51,2190.49 2707.51,2173.49 2718.69,2162.31 2835.31,2162.31 2854,2181 2854,2240 2878,2264 2878,2382 3106,2610 v1(3128,2610) ; U1.43 3570.21,2607.21 v1(3571,2608)
  Bottom Layer w6: v1(3128,2610) 3130,2608 v1(3571,2608)
USART1_TX: U1.42 UT1.1 | length 1261.7
  Top Layer w6: UT1.1 2665,2183.79 2665,2153.62 2668.3,2150.31 2850.31,2150.31 2869,2169 2869,2228 2893,2252 2893,2367 v1(3114,2588) ; v1(3550,2588) 3550.53,2587.47 U1.42
  Bottom Layer w6: v1(3114,2588) v1(3550,2588)
USART2_RX: U1.17 U4.26 | length 1358.1
  Top Layer w6: U1.17 3349.36,2902.64 3359,2893 3359,2758.5 3373,2744.5 3373,2620 3319,2566 v1(3319,2510)
  Top Layer w10: U4.26 4079.11,2371.11 cw(c4090,2371.11) v1(4090,2382)
  Bottom Layer w6: v1(3319,2510) 3319,2474 3411,2382 v1(4090,2382)
USART2_TX: U1.16 U4.25 | length 1328.1
  Top Layer w6: v1(3348,2509) 3348,2573 3386,2611 3386,2764.33 3373.36,2776.96 U1.16
  Top Layer w10: U4.25 4059.42,2377.59 cw(c4069.42,2377.59) 4059.45,2378.3 ccw(c4042.59,2379.51) 4059.45,2380.72 cw(c4069.42,2381.43) 4059.42,2381.43 4059.42,2386.42 ; 4059.42,2386.43 cw(c4069,2386.42) 4069,2396 v1(4069,2398.87)
  Bottom Layer w6: v1(3348,2509) 3348,2479 3428.13,2398.87 v1(4069,2398.87)
USART3_RX: U1.30 UT2.1 | length 861.8
  Top Layer w6: UT2.1 2708.2,2282 2835,2282 2863,2310 2863,2388 3121.73,2646.73 U1.30
USART3_TX: U1.29 UT2.2 | length 819
  Top Layer w6: UT2.2 2713.78,2325.63 2713.78,2306.22 2720,2300 2833,2300 2848,2315 2848,2396.14 3118.28,2666.42 U1.29
USB_DM: U1.44 USB1.2 | length 957.3
  Top Layer w10: U1.44 3589.9,2483.1 ccw(c3598,2483.1) v1(3598,2475) ; v1(4237,2696) 4237,2696.41 USB1.2
  Bottom Layer w10: v1(3598,2475) ccw(c3616,2475) 3616,2457 3920,2457 ccw(c3920,2557) 4020,2557 4020,2663 cw(c4053,2663) 4053,2696 v1(4237,2696)
USB_DP: U1.45 USB1.3 | length 922.2
  Top Layer w10: U1.45 3609.58,2500.42 ccw(c3633,2500.42) v1(3633,2477) ; v1(4229,2721) cw(c4230,2721) 4230,2722 USB1.3
  Bottom Layer w10: v1(3633,2477) 3895,2477 ccw(c3895,2577) 3995,2577 3995,2684 cw(c4032,2684) 4032,2721 v1(4229,2721)
W_GPIO0: U1.50 U4.15 | length 482
  Top Layer w6: U1.50 3839.05,2627.05 3892,2680 4056,2680 4079,2657 4079,2546.1 U4.15
pads on no net: ANT1.2 ANT2.2 U1.2 U1.3 U1.4 U1.8 U1.9 U1.10 U1.11 U1.26 U1.27 U1.36 U1.39 U1.40 U1.41 U1.56 U1.57 U1.58 U1.59 U1.61 U1.62 U2.6 U2.21 U4.5 U4.6 U4.8 U4.9 U4.10 U4.12 U4.16 U4.18 U4.19 U4.20 U4.21 U4.22 U4.23 U4.24 U7.1 U7.2 U7.3 U7.4 U7.5 U7.6 U7.7 U7.11 U7.12 U7.14 U7.15 U7.16 U7.17 U7.19 U7.20 U7.21 U8.0 USB1.0 USB1.4

## Polygon pours and split planes (outlines as drawn)
RF_GND on Bottom Layer "Bottom Layer-RF_GND" (solid, pour order 0): 3864,2138 4516.33,2138 4518.23,2136.1 4518.23,3401 3869,3401 3864,3406
GND on Bottom Layer "Bottom Layer-GND" (solid, pour order 3): 2548,3193 3859,3193 3859,2303 3856,2300 3852,2304 2905,2304 2905,2137 2903,2135 2901.9,2136.1 2549.72,2136.1 2549.72,3193.28 2548,3195
RF_GND on Top Layer "Top Layer-RF_GND" (solid, pour order 1): 3864,3400 3864,2138 4516.33,2138 4518.23,2136.1 4518.23,3401 3867,3401 3866,3400
GND on Top Layer "Top Layer-GND" (solid, pour order 2): 2546,3188 2549,3191 3856,3191 3856,2310 3852,2306 2903,2306 2903,2137 2902.1,2136.1 2549.72,2136.1 2549.72,3192.72 2550,3193

## Keep-outs
Keep-Out Layer:
  lines w10: 2549.72,2136.1 2549.72,3401 4518.23,3401 4518.23,2136.1 2549.72,2136.1

## Other copper
Top Layer:
  rectangle net AGND: 2914,3153 2972,3189
  rectangle net AGND: 3501,3192 3613,3256
  rectangle net AGND: 3345,3191 3457,3257
  rectangle net AGND: 3556.95,2290.95 3663.95,2334.95
  rectangle net AGND: 3405,2292 3512,2336
Bottom Layer:
  rectangle net GND: 3798,2850.91 3857.54,2935

## Silkscreen, mask and mechanical layers (free items; w line width, h text height)
Top Overlay:
  text "-" at 2600,3317 h31.5 r90
  text "+" at 2601,3218 h31.5 r90
  text "V" at 3853,2702 h31.5 r90
  text "R" at 2881,2314 h31.5
  text "T" at 2915,2314 h31.5
  text "D" at 2954,2314 h31.5
  text "5" at 2988,2313 h31.5
  text "R" at 2881,2272 h31.5
  text "T" at 2915,2272 h31.5
  text "D" at 2954,2272 h31.5
  text "V" at 2988,2271 h31.5